# Altium PCB Connect.PcbDoc (part 1 of 2) (continued)
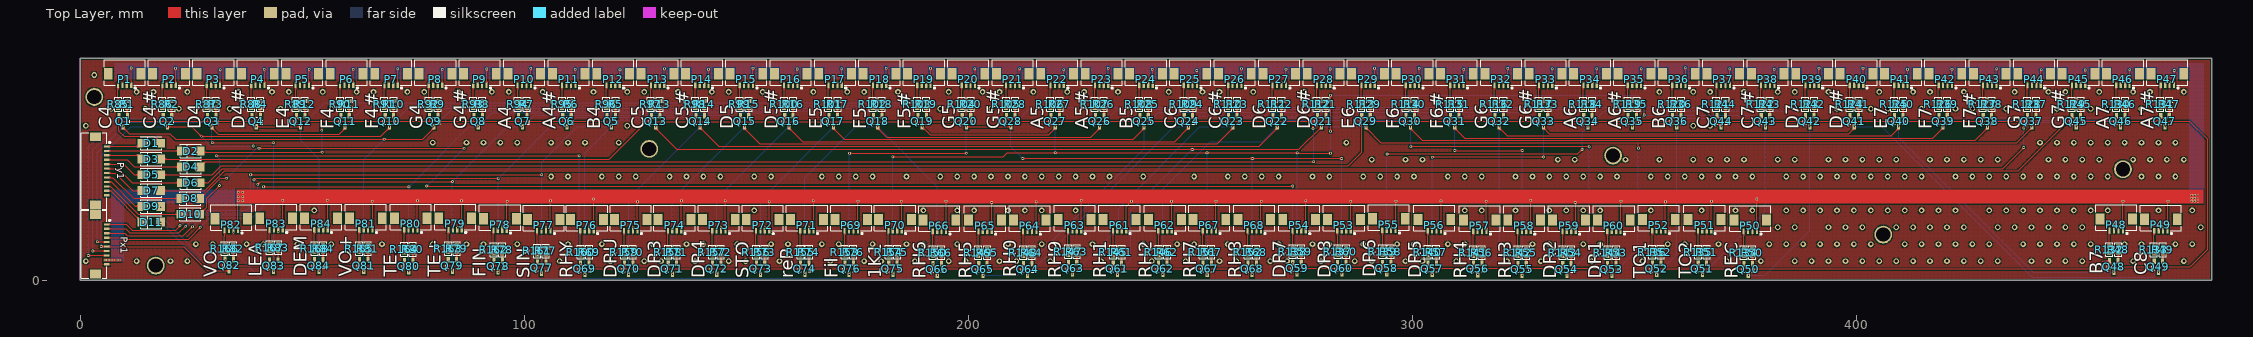
[diagram p0: Top Layer view]
## Components (designator, comment, footprint, x,y, rotation, side; value= is the part's Value field where it differs from the comment) (continued)
R146 "1KΩ (1001) ±1%" 0603_R 242.834,6.35 r90 top
R147 "1KΩ (1001) ±1%" 0603_R 222.486,6.477 r90 top
R148 "1KΩ (1001) ±1%" 0603_R 212.376,6.223 r90 top
R149 "1KΩ (1001) ±1%" 0603_R 202.184,6.223 r90 top
R150 "1KΩ (1001) ±1%" 0603_R 192.028,6.223 r90 top
R151 "1KΩ (1001) ±1%" 0603_R 252.817,6.35 r90 top
R152 "1KΩ (1001) ±1%" 0603_R 262.928,6.35 r90 top
R153 "1KΩ (1001) ±1%" 0603_R 172.189,6.35 r90 top
R154 "1KΩ (1001) ±1%" 0603_R 182.045,6.35 r90 top
R155 "1KΩ (1001) ±1%" 0603_R 162.205,6.35 r90 top
R156 "1KΩ (1001) ±1%" 0603_R 152.222,6.35 r90 top
R157 "1KΩ (1001) ±1%" 0603_R 142.365,6.35 r90 top
R158 "1KΩ (1001) ±1%" 0603_R 132.382,6.35 r90 top
R159 "1KΩ (1001) ±1%" 0603_R 122.526,6.35 r90 top
R160 "1KΩ (1001) ±1%" 0603_R 112.669,6.35 r90 top
R161 "1KΩ (1001) ±1%" 0603_R 102.94,6.604 r90 top
R162 "1KΩ (1001) ±1%" 0603_R 93.084,6.858 r90 top
R163 "1KΩ (1001) ±1%" 0603_R 82.846,7.112 r90 top
R164 "1KΩ (1001) ±1%" 0603_R 72.99,6.985 r90 top
R165 "1KΩ (1001) ±1%" 0603_R 62.88,7.112 r90 top
R166 "1KΩ (1001) ±1%" 0603_R 32.549,7.112 r90 top
R167 "1KΩ (1001) ±1%" 0603_R 42.659,7.366 r90 top
R168 "1KΩ (1001) ±1%" 0603_R 52.769,7.112 r90 top

## Footprints (in the part's own frame and the unit in brackets; to place one, negate y for a bottom-side part, rotate by r counter-clockwise, add the part's x,y. Pads: shape width x height; smd on the part's side, far side on the other; paste and mask are expansions set on the pad)
0603_R [mm]
  rect 0.93x0.98 smd: 1(-0.77,0) 2(0.77,0)
  silkscreen extent -1.54,-0.79 1.54,0.79, body extent -0.85,-0.4 0.85,0.4, height 0.56
FPC1.0-2H-WS-4P [mm] "翻盖FPC，脚距1mm，不含脚（长8.9mm，宽5.2mm，高1.96mm）"
  rect 2x2.5 smd: 0(-3.69,0) 0(3.69,0)
  rect 0.5x1.25 smd: 1(-1.5,2.575) 2(-0.5,2.575) 3(0.5,2.575) 4(1.5,2.575)
  silkscreen extent -4.64,-3.17 4.64,3.31, body extent -4.45,-3.15 4.45,2.85, height 2
FPC1.0-2H-WS-10P [mm] "翻盖FPC，脚距1mm，不含脚（长14.9mm，宽5.2mm，高1.96mm）"
  rect 2x2.5 smd: 0(-6.69,0) 0(6.69,0)
  rect 0.5x1.25 smd: 1(-4.5,2.575) 2(-3.5,2.575) 3(-2.5,2.575) 4(-1.5,2.575) 5(-0.5,2.575) 6(0.5,2.575) 7(1.5,2.575) 8(2.5,2.575) 9(3.5,2.575) 10(4.5,2.575)
  silkscreen extent -7.64,-3.18 7.64,3.31, body extent -7.45,-3.15 7.45,2.85, height 2
FPC1.0-2H-WS-12P [mm] "翻盖FPC，脚距1mm，不含脚（长16.9mm，宽5.2mm，高1.96mm）"
  rect 2x2.5 smd: 0(-7.69,0) 0(7.69,0)
  rect 0.5x1.25 smd: 1(-5.5,2.575) 2(-4.5,2.575) 3(-3.5,2.575) 4(-2.5,2.575) 5(-1.5,2.575) 6(-0.5,2.575) 7(0.5,2.575) 8(1.5,2.575) 9(2.5,2.575) 10(3.5,2.575) 11(4.5,2.575) 12(5.5,2.575)
  silkscreen extent -8.64,-3.18 8.64,3.31, body extent -8.45,-3.15 8.45,2.85, height 2
SMA(DO-214AC)_S1 [mm]
  rect 2x2 smd: 1(2.1,0) 2(-2.1,0)
  silkscreen extent -2.35,-1.5 2.35,1.5
SOT-23(SOT-23-3) [mm]
  rect 1.25x0.7 smd: 1(1.25,-0.95) 2(1.25,0.95) 3(-1.25,0)
  silkscreen extent -0.65,-1.46 0.9,1.46, body extent -1.5,-1.5 1.5,1.5, height 1.3

## Part data
D1 D2 D3 D4 D5 D6 D7 D8 D9 D10 D11: library part "SMA(DO-214AC) M7", "二极管"
P1 P2 P3 P4 P5 P6 P7 P8 P9 P10 P11 P12 P13 P14 P15 P16 P17 P18 P19 P20 P21 P22 P23 P24 P25 P26 P27 P28 P29 P30 P31 P32 P33 P34 P35 P36 P37 P38 P39 P40 P41 P42 P43 P44 P45 P46 P47 P48 P49 P50 P51 P52 P53 P54 P55 P56 P57 P58 P59 P60 P61 P62 P63 P64 P65 P66 P67 P68 P69 P70 P71 P72 P73 P74 P75 P76 P77 P78 P79 P80 P81 P82 P83 P84: "Header, 4-Pin"
Px1: "Header, 10-Pin"
Py1: "Header, 12-Pin"
Q1 Q2 Q3 Q4 Q5 Q6 Q7 Q8 Q9 Q10 Q11 Q12 Q13 Q14 Q15 Q16 Q17 Q18 Q19 Q20 Q21 Q22 Q23 Q24 Q25 Q26 Q27 Q28 Q29 Q30 Q31 Q32 Q33 Q34 Q35 Q36 Q37 Q38 Q39 Q40 Q41 Q42 Q43 Q44 Q45 Q46 Q47 Q48 Q49 Q50 Q51 Q52 Q53 Q54 Q55 Q56 Q57 Q58 Q59 Q60 Q61 Q62 Q63 Q64 Q65 Q66 Q67 Q68 Q69 Q70 Q71 Q72 Q73 Q74 Q75 Q76 Q77 Q78 Q79 Q80 Q81 Q82 Q83 Q84: library part "SOT-23 SS8050 Y1", "三极管"
R1 R2 R3 R4 R5 R6 R7 R8 R9 R10 R11 R12 R13 R14 R15 R16 R17 R18 R19 R20 R21 R22 R23 R24 R25 R26 R27 R28 R29 R30 R31 R32 R33 R34 R35 R36 R37 R38 R39 R40 R41 R42 R43 R44 R45 R46 R47 R48 R49 R50 R51 R52 R53 R54 R55 R56 R57 R58 R59 R60 R61 R62 R63 R64 R65 R66 R67 R68 R69 R70 R71 R72 R73 R74 R75 R76 R77 R78 R79 R80 R81 R82 R83 R84: library part "0603 10KΩ (1002) 1%", "贴片电阻"
R85 R86 R87 R88 R89 R90 R91 R92 R93 R94 R95 R96 R97 R98 R99 R100 R101 R102 R103 R104 R105 R106 R107 R108 R109 R110 R111 R112 R113 R114 R115 R116 R117 R118 R119 R120 R121 R122 R123 R124 R125 R126 R127 R128 R129 R130 R131 R132 R133 R134 R135 R136 R137 R138 R139 R140 R141 R142 R143 R144 R145 R146 R147 R148 R149 R150 R151 R152 R153 R154 R155 R156 R157 R158 R159 R160 R161 R162 R163 R164 R165 R166 R167 R168: library part "0603 1KΩ (1001) 1%", "贴片电阻"

## Free pads (board coordinates)
  round 4 hole 3.2: 0(3.175,41.275) 0(17.018,3.302) 0(128.143,29.591) 0(345.186,28.067) 0(406.019,10.287) 0(460,25)
  rect 5x0.8 smd far side: 2(7.239,4.572)

## Via types
v1: diameter 1.27, hole 0.711, Top Layer to Bottom Layer, tented both sides, 396 vias
v2: diameter 0.6, hole 0.3, Top Layer to Bottom Layer, 231 vias
v3: diameter 0.5, hole 0.3, Top Layer to Bottom Layer, 107 vias

## Nets (pads, with @x,y where several pads share a name; then routed paths per layer and width w, separated by ;. In a path a pad name is that pad's centre, name@x,y a point inside that pad or via, vN(x,y) a via of type N, cw(c..) or ccw(c..) an arc to the next point about the centre after c; other vN are vias at no path point)
1K1N: Q75.1 R75.2 R154.1 | length 3.7
  Top Layer w0.254: R154.1@182.045,5.58 R75.2@183.95,5.58 183.968,5.58 Q75.1@183.968,3.81
A4: Q7.1 R7.2 R94.1 | length 3.8
  Top Layer w0.254: R94.1@98.496,38.854 R7.2@100.545,38.854 100.545,37.085 Q7.1@100.566,37.064
A4#: Q6.1 R6.2 R95.1 | length 3.8
  Top Layer w0.254: R95.1@108.495,38.854 R6.2@110.543,38.854 110.543,37.083 Q6.1@110.562,37.064
A5: Q27.1 R27.2 R106.1 | length 3.8
  Top Layer w0.254: R106.1@218.48,38.854 R27.2@220.523,38.854 220.523,37.07 Q27.1@220.517,37.064
A5#: Q26.1 R26.2 R107.1 | length 3.8
  Top Layer w0.254: R107.1@228.478,38.854 R26.2@230.521,38.854 230.521,37.072 Q26.1@230.513,37.064
A6: Q34.1 R34.2 R118.1 | length 3.8
  Top Layer w0.254: R118.1@338.463,38.854 R34.2@340.501,38.854 340.501,37.097 Q34.1@340.469,37.064
A6#: Q35.1 R35.2 R119.1 | length 3.8
  Top Layer w0.254: R119.1@348.462,38.854 R35.2@350.499,38.854 350.499,37.099 Q35.1@350.465,37.064
A7: Q46.1 R46.2 R130.1 | length 3.8
  Top Layer w0.254: R130.1@458.446,38.854 R46.2@460.479,38.854 460.479,37.123 Q46.1@460.42,37.064
A7#: Q47.1 R47.2 R131.1 | length 3.8
  Top Layer w0.254: R131.1@468.445,38.854 R47.2@470.478,38.854 470.478,37.126 Q47.1@470.416,37.064
B4: Q5.1 R5.2 R96.1 | length 3.8
  Top Layer w0.254: R96.1@118.494,38.854 R5.2@120.541,38.854 120.541,37.08 Q5.1@120.558,37.064
B5: Q25.1 R25.2 R108.1 | length 3.8
  Top Layer w0.254: R108.1@238.477,38.854 R25.2@240.519,38.854 240.519,37.074 Q25.1@240.509,37.064
B6: Q36.1 R36.2 R120.1 | length 3.8
  Top Layer w0.254: R120.1@358.46,38.854 R36.2@360.498,38.854 360.498,37.101 Q36.1@360.46,37.064
B7: Q48.1 R48.2 R132.1 | length 3.8
  Top Layer w0.254: R132.1@456.937,6.131 R48.2@458.97,6.131 458.97,4.405 Q48.1@458.906,4.341
C4: Q1.1 R1.2 R85.1 | length 3.9
  Top Layer w0.254: R85.1@8.509,38.854 R1.2@10.561,38.854 10.561,37.105 Q1.1@10.602,37.064
C4#: Q2.1 R2.2 R86.1 | length 3.9
  Top Layer w0.254: R86.1@18.508,38.854 R2.2@20.559,38.854 20.559,37.103 Q2.1@20.598,37.064
C5: Q13.1 R13.2 R97.1 | length 3.8
  Top Layer w0.254: R97.1@128.492,38.854 R13.2@130.539,38.854 130.539,37.078 Q13.1@130.553,37.064
C5#: Q14.1 R14.2 R98.1 | length 3.8
  Top Layer w0.254: R98.1@138.491,38.854 R14.2@140.537,38.854 140.537,37.076 Q14.1@140.549,37.064
C6: Q24.1 R24.2 R109.1 | length 3.8
  Top Layer w0.254: R109.1@248.475,38.854 R24.2@250.518,38.854 250.518,37.077 Q24.1@250.505,37.064
C6#: Q23.1 R23.2 R110.1 | length 3.8
  Top Layer w0.254: R110.1@258.474,38.854 R23.2@260.516,38.854 260.516,37.079 Q23.1@260.501,37.064
C7: Q44.1 R44.2 R121.1 | length 3.8
  Top Layer w0.254: R121.1@368.459,38.854 R44.2@370.496,38.854 370.496,37.103 Q44.1@370.456,37.064
C7#: Q43.1 R43.2 R122.1 | length 3.8
  Top Layer w0.254: R122.1@378.457,38.854 R43.2@380.494,38.854 ; Q43.1@380.452,37.064 380.494,37.106 R43.2@380.494,38.854
C8: Q49.1 R49.2 R133.1 | length 3.8
  Top Layer w0.254: R133.1@466.979,6.088 R49.2@469.011,6.088 469.011,4.364 Q49.1@468.945,4.298
D4: Q3.1 R3.2 R87.1 | length 3.9
  Top Layer w0.254: R87.1@28.506,38.854 R3.2@30.557,38.854 30.557,37.101 Q3.1@30.594,37.064
D4#: Q4.1 R4.2 R88.1 | length 3.9
  Top Layer w0.254: R88.1@38.505,38.854 R4.2@40.556,38.854 40.556,37.098 Q4.1@40.59,37.064
D5: Q15.1 R15.2 R99.1 | length 3.8
  Top Layer w0.254: R99.1@148.489,38.854 R15.2@150.536,38.854 150.536,37.074 Q15.1@150.545,37.064
D5#: Q16.1 R16.2 R100.1 | length 3.8
  Top Layer w0.254: R100.1@158.488,38.854 R16.2@160.534,38.854 160.534,37.072 Q16.1@160.541,37.064
D6: Q22.1 R22.2 R111.1 | length 3.8
  Top Layer w0.254: R111.1@268.473,38.854 R22.2@270.514,38.854 270.514,37.081 Q22.1@270.497,37.064
D6#: Q21.1 R21.2 R112.1 | length 3.8
  Top Layer w0.254: R112.1@278.471,38.854 R21.2@280.512,38.854 280.512,37.083 Q21.1@280.493,37.064
D7: Q42.1 R42.2 R123.1 | length 3.8
  Top Layer w0.254: R123.1@388.456,38.854 R42.2@390.492,38.854 390.492,37.108 Q42.1@390.448,37.064
D7#: Q41.1 R41.2 R124.1 | length 3.8
  Top Layer w0.254: R124.1@398.455,38.854 R41.2@400.49,38.854 400.49,37.11 Q41.1@400.444,37.064
DEMO: Q84.1 R84.2 R168.1 | length 3.7
  Top Layer w0.254: R168.1@52.769,6.342 53.721,6.342 R84.2@54.674,6.342 54.674,5.588 54.698,5.565 Q84.1@54.698,4.572
DR1: Q53.1 R53.2 R144.1 | length 3.7
  Top Layer w0.254: R144.1@343.938,5.453 R53.2@345.843,5.453 345.843,3.693 Q53.1@345.853,3.683
DR2: Q54.1 R54.2 R143.1 | length 3.7
  Top Layer w0.254: R143.1@333.827,5.453 R54.2@335.732,5.453 335.732,3.694 Q54.1@335.743,3.683
DR3: Q71.1 R71.2 R158.1 | length 3.7
  Top Layer w0.254: R158.1@132.382,5.58 R71.2@134.287,5.58 134.307,5.58 Q71.1@134.307,3.81
DR4: Q72.1 R72.2 R157.1 | length 3.7
  Top Layer w0.254: R157.1@142.365,5.58 R72.2@144.271,5.58 144.29,5.58 Q72.1@144.29,3.81
DR5: Q57.1 R57.2 R140.1 | length 3.7
  Top Layer w0.254: R140.1@303.496,5.58 R57.2@305.401,5.58 305.401,3.822 Q57.1@305.413,3.81
DR6: Q58.1 R58.2 R139.1 | length 3.7
  Top Layer w0.254: R139.1@293.259,5.707 R58.2@295.164,5.707 295.164,3.949 Q58.1@295.176,3.937
DR7: Q59.1 R59.2 R138.1 | length 3.7
  Top Layer w0.254: R138.1@273.038,5.707 R59.2@274.943,5.707 274.943,3.95 Q59.1@274.957,3.937
DR8: Q60.1 R60.2 R137.1 | length 3.7
  Top Layer w0.254: R137.1@283.149,5.707 R60.2@285.054,5.707 285.054,3.95 Q60.1@285.067,3.937
DRUM: Q70.1 R70.2 R159.1 | length 3.7
  Top Layer w0.254: R159.1@122.526,5.58 R70.2@124.431,5.58 124.451,5.58 Q70.1@124.451,3.81
E4: Q12.1 R12.2 R89.1 | length 3.9
  Top Layer w0.254: R89.1@48.503,38.854 R12.2@50.554,38.854 50.554,37.096 Q12.1@50.586,37.064
E5: Q17.1 R17.2 R101.1 | length 3.8
  Top Layer w0.254: R101.1@168.487,38.854 R17.2@170.532,38.854 170.532,37.069 Q17.1@170.537,37.064
E6: Q29.1 R29.2 R113.1 | length 3.8
  Top Layer w0.254: R113.1@288.47,38.854 R29.2@290.51,38.854 290.51,37.085 Q29.1@290.489,37.064
E7: Q40.1 R40.2 R125.1 | length 3.8
  Top Layer w0.254: R125.1@408.453,38.854 R40.2@410.488,38.854 410.488,37.112 Q40.1@410.44,37.064
F4: Q11.1 R11.2 R90.1 | length 3.9
  Top Layer w0.254: R90.1@58.502,38.854 R11.2@60.552,38.854 60.552,37.094 Q11.1@60.582,37.064
F4#: Q10.1 R10.2 R91.1 | length 3.9
  Top Layer w0.254: R91.1@68.501,38.854 R10.2@70.55,38.854 70.55,37.092 Q10.1@70.578,37.064
F5: Q18.1 R18.2 R102.1 | length 3.8
  Top Layer w0.254: R102.1@178.485,38.854 R18.2@180.53,38.854 180.53,37.067 Q18.1@180.533,37.064
F5#: Q19.1 R19.2 R103.1 | length 3.8
  Top Layer w0.254: R103.1@188.484,38.854 R19.2@190.528,38.854 Q19.1@190.528,37.065
F6: Q30.1 R30.2 R114.1 | length 3.8
  Top Layer w0.254: R114.1@298.468,38.854 R30.2@300.508,38.854 300.508,37.088 Q30.1@300.485,37.064
F6#: Q31.1 R31.2 R115.1 | length 3.8
  Top Layer w0.254: R115.1@308.467,38.854 R31.2@310.507,38.854 310.507,37.09 Q31.1@310.481,37.064
F7: Q39.1 R39.2 R126.1 | length 3.8
  Top Layer w0.254: R126.1@418.452,38.854 R39.2@420.487,38.854 420.487,37.114 Q39.1@420.436,37.064
F7#: Q38.1 R38.2 R127.1 | length 3.8
  Top Layer w0.254: R127.1@428.45,38.854 R38.2@430.485,38.854 430.485,37.117 Q38.1@430.432,37.064
FILLIN: Q76.1 R76.2 R153.1 | length 3.7
  Top Layer w0.254: R153.1@172.189,5.58 R76.2@174.094,5.58 174.112,5.58 Q76.1@174.112,3.81
FINGER: Q78.1 R78.2 R162.1 | length 3.7
  Top Layer w0.254: R162.1@93.084,6.088 R78.2@94.989,6.088 95.01,6.088 Q78.1@95.01,4.318
G4: Q9.1 R9.2 R92.1 | length 3.8
  Top Layer w0.254: R92.1@78.499,38.854 R9.2@80.548,38.854 80.548,37.089 Q9.1@80.574,37.064
G4#: Q8.1 R8.2 R93.1 | length 3.8
  Top Layer w0.254: R93.1@88.498,38.854 R8.2@90.547,38.854 90.547,37.087 Q8.1@90.57,37.064
G5: Q20.1 R20.2 R104.1 | length 3.8
  Top Layer w0.254: R104.1@198.482,38.854 R20.2@200.527,38.854 200.527,37.065 Q20.1@200.525,37.064
G5#: Q28.1 R28.2 R105.1 | length 3.8
  Top Layer w0.254: R105.1@208.481,38.854 R28.2@210.525,38.854 ; Q28.1@210.521,37.064 210.525,37.068 R28.2@210.525,38.854
G6: Q32.1 R32.2 R116.1 | length 3.8
  Top Layer w0.254: R116.1@318.466,38.854 R32.2@320.505,38.854 320.505,37.092 Q32.1@320.477,37.064
G6#: Q33.1 R33.2 R117.1 | length 3.8
  Top Layer w0.254: R117.1@328.464,38.854 R33.2@330.503,38.854 330.503,37.094 Q33.1@330.473,37.064
G7: Q37.1 R37.2 R128.1 | length 3.8
  Top Layer w0.254: R128.1@438.449,38.854 R37.2@440.483,38.854 440.428,38.799 Q37.1@440.428,37.064
G7#: Q45.1 R45.2 R129.1 | length 3.8
  Top Layer w0.254: R129.1@448.448,38.854 R45.2@450.481,38.854 450.481,37.121 Q45.1@450.424,37.064
GND: P1.2 P2.2 P3.2 P4.2 P5.2 P6.2 P7.2 P8.2 P9.2 P10.2 P11.2 P12.2 P13.2 P14.2 P15.2 P16.2 P17.2 P18.2 P19.2 P20.2 P21.2 P22.2 P23.2 P24.2 P25.2 P26.2 P27.2 P28.2 P29.2 P30.2 P31.2 P32.2 P33.2 P34.2 P35.2 P36.2 P37.2 P38.2 P39.2 P40.2 P41.2 P42.2 P43.2 P44.2 P45.2 P46.2 P47.2 P48.2 P49.2 P50.2 P51.2 P52.2 P53.2 P54.2 P55.2 P56.2 P57.2 P58.2 P59.2 P60.2 P61.2 P62.2 P63.2 P64.2 P65.2 P66.2 P67.2 P68.2 P69.2 P70.2 P71.2 P72.2 P73.2 P74.2 P75.2 P76.2 P77.2 P78.2 P79.2 P80.2 P81.2 P82.2 P83.2 P84.2 pad.0@3.175,41.275 Px1.10 R1.1 R2.1 R3.1 R4.1 R5.1 R6.1 R7.1 R8.1 R9.1 R10.1 R11.1 R12.1 R13.1 R14.1 R15.1 R16.1 R17.1 R18.1 R19.1 R20.1 R21.1 R22.1 R23.1 R24.1 R25.1 R26.1 R27.1 R28.1 R29.1 R30.1 R31.1 R32.1 R33.1 R34.1 R35.1 R36.1 R37.1 R38.1 R39.1 R40.1 R41.1 R42.1 R43.1 R44.1 R45.1 R46.1 R47.1 R48.1 R49.1 R50.1 R51.1 R52.1 R53.1 R54.1 R55.1 R56.1 R57.1 R58.1 R59.1 R60.1 R61.1 R62.1 R63.1 R64.1 R65.1 R66.1 R67.1 R68.1 R69.1 R70.1 R71.1 R72.1 R73.1 R74.1 R75.1 R76.1 R77.1 R78.1 R79.1 R80.1 R81.1 R82.1 R83.1 R84.1
  other v1: 1.27,4.318 12.7,4.318 20.32,4.318 24.13,4.318 107.95,4.318 119.38,4.318 127,4.318 130.81,4.318 138.43,4.318 146.05,4.318 149.86,4.318 157.48,4.318 168.91,4.318 176.53,4.318 180.34,4.318 187.96,4.318 195.58,4.318 199.39,4.318 207.01,4.318 210.82,4.318 218.44,4.318 229.87,4.318 241.3,4.318 248.92,4.318 256.54,4.318 260.35,4.318 267.97,4.318 271.78,4.318 279.4,4.318 287.02,4.318 290.83,4.318 298.45,4.318 302.26,4.318 309.88,4.318 321.31,4.318 328.93,4.318 340.36,4.318 351.79,4.318 370.84,4.318 378.46,4.318 386.08,4.318 389.89,4.318 393.7,4.318 397.51,4.318 401.32,4.318 405.13,4.318 408.94,4.318 412.75,4.318 416.56,4.318 420.37,4.318 424.18,4.318 427.99,4.318 431.8,4.318 439.42,4.318 443.23,4.318 447.04,4.318 450.85,4.318 462.28,4.318 473.71,4.318 26.035,8.128 29.845,8.128 37.465,8.128 41.275,8.128 48.895,8.128 56.515,8.128 60.325,8.128 67.945,8.128 79.375,8.128 86.995,8.128 90.805,8.128 98.425,8.128 109.855,8.128 117.475,8.128 128.905,8.128 136.525,8.128 140.335,8.128 147.955,8.128 155.575,8.128 159.385,8.128 167.005,8.128 170.815,8.128 178.435,8.128 186.055,8.128 189.865,8.128 197.485,8.128 208.915,8.128 216.535,8.128 227.965,8.128 239.395,8.128 247.015,8.128 250.825,8.128 258.445,8.128 269.875,8.128 277.495,8.128 281.305,8.128 288.925,8.128 296.545,8.128 300.355,8.128 307.975,8.128 311.785,8.128 327.025,8.128 330.835,8.128 338.455,8.128 342.265,8.128 357.505,8.128 361.315,8.128 368.935,8.128 380.365,8.128 384.175,8.128 387.985,8.128 391.795,8.128 395.605,8.128 399.415,8.128 403.225,8.128 410.845,8.128 414.655,8.128 418.465,8.128 422.275,8.128 426.085,8.128 429.895,8.128 437.515,8.128 441.325,8.128 445.135,8.128 448.945,8.128 452.755,8.128 460.375,8.128 464.185,8.128 471.805,8.128 475.615,8.128 382.27,11.938 386.08,11.938 393.7,11.938 397.51,11.938 401.32,11.938 408.94,11.938 412.75,11.938 416.56,11.938 420.37,11.938 424.18,11.938 431.8,11.938 435.61,11.938 439.42,11.938 443.23,11.938 447.04,11.938 450.85,11.938 477.52,11.938 52.705,15.748 151.765,15.748 189.865,15.748 197.485,15.748 201.295,15.748 208.915,15.748 212.725,15.748 216.535,15.748 224.155,15.748 311.785,15.748 315.595,15.748 323.215,15.748 330.835,15.748 334.645,15.748 338.455,15.748 342.265,15.748 353.695,15.748 365.125,15.748 372.745,15.748 376.555,15.748 384.175,15.748 387.985,15.748 391.795,15.748 395.605,15.748 399.415,15.748 403.225,15.748 407.035,15.748 410.845,15.748 414.655,15.748 418.465,15.748 422.275,15.748 429.895,15.748 433.705,15.748 437.515,15.748 441.325,15.748 445.135,15.748 448.945,15.748 452.755,15.748 456.565,15.748 467.995,15.748 475.615,15.748 106.045,23.368 109.855,23.368 117.475,23.368 121.285,23.368 125.095,23.368 132.715,23.368 136.525,23.368 140.335,23.368 144.145,23.368 151.765,23.368 155.575,23.368 167.005,23.368 170.815,23.368 174.625,23.368 178.435,23.368 186.055,23.368 193.675,23.368 197.485,23.368 201.295,23.368 205.105,23.368 208.915,23.368 212.725,23.368 216.535,23.368 220.345,23.368 224.155,23.368 227.965,23.368 231.775,23.368 239.395,23.368 250.825,23.368 258.445,23.368 262.255,23.368 266.065,23.368 269.875,23.368 277.495,23.368 281.305,23.368 288.925,23.368 292.735,23.368 296.545,23.368 300.355,23.368 307.975,23.368 311.785,23.368 315.595,23.368 323.215,23.368 327.025,23.368 330.835,23.368 334.645,23.368 338.455,23.368 342.265,23.368 346.075,23.368 353.695,23.368 357.505,23.368 361.315,23.368 365.125,23.368 368.935,23.368 372.745,23.368 376.555,23.368 384.175,23.368 387.985,23.368 391.795,23.368 395.605,23.368 399.415,23.368 403.225,23.368 407.035,23.368 410.845,23.368 414.655,23.368 422.275,23.368 426.085,23.368 429.895,23.368 433.705,23.368 437.515,23.368 441.325,23.368 445.135,23.368 448.945,23.368 452.755,23.368 456.565,23.368 464.185,23.368 467.995,23.368 471.805,23.368 290.83,27.178 298.45,27.178 302.26,27.178 332.74,27.178 336.55,27.178 347.98,27.178 355.6,27.178 363.22,27.178 367.03,27.178 370.84,27.178 374.65,27.178 382.27,27.178 386.08,27.178 393.7,27.178 397.51,27.178 401.32,27.178 405.13,27.178 408.94,27.178 416.56,27.178 420.37,27.178 424.18,27.178 427.99,27.178 431.8,27.178 443.23,27.178 447.04,27.178 450.85,27.178 454.66,27.178 462.28,27.178 466.09,27.178 469.9,27.178 473.71,27.178 79.375,30.988 86.995,30.988 90.805,30.988 94.615,30.988 98.425,30.988 106.045,30.988 109.855,30.988 113.665,30.988 121.285,30.988 285.115,30.988 441.325,30.988 445.135,30.988 448.945,30.988 452.755,30.988 456.565,30.988 460.375,30.988 464.185,30.988 467.995,30.988 471.805,30.988 1.27,34.798 123.19,34.798 363.22,34.798 367.03,34.798 6.985,38.608 14.605,38.608 22.225,38.608 26.035,38.608 33.655,38.608 45.085,38.608 56.515,38.608 193.675,38.608 205.105,38.608 395.605,38.608 403.225,38.608 407.035,38.608 414.655,38.608 422.275,38.608 426.085,38.608 433.705,38.608 445.135,38.608 452.755,38.608 456.565,38.608 464.185,38.608 12.7,42.418 16.51,42.418 24.13,42.418 35.56,42.418 43.18,42.418 46.99,42.418 54.61,42.418 62.23,42.418 66.04,42.418 73.66,42.418 77.47,42.418 85.09,42.418 92.71,42.418 96.52,42.418 104.14,42.418 115.57,42.418 123.19,42.418 127,42.418 134.62,42.418 142.24,42.418 146.05,42.418 153.67,42.418 165.1,42.418 172.72,42.418 176.53,42.418 184.15,42.418 195.58,42.418 203.2,42.418 207.01,42.418 214.63,42.418 222.25,42.418 226.06,42.418 233.68,42.418 245.11,42.418 252.73,42.418 256.54,42.418 264.16,42.418 275.59,42.418 355.6,42.418 363.22,42.418 367.03,42.418 374.65,42.418 382.27,42.418 386.08,42.418 393.7,42.418 405.13,42.418 412.75,42.418 416.56,42.418 424.18,42.418 435.61,42.418 443.23,42.418 447.04,42.418 454.66,42.418 462.28,42.418 466.09,42.418 473.71,42.418 3.175,46.228
  other v3: 469.011,7.628 458.97,7.671 34.544,10.795 44.577,10.922 315.595,11.684 345.821,11.684 376.555,11.684 64.77,11.811 74.93,11.811 84.963,11.811 184.023,11.811 193.929,11.811 204.216,11.811 214.376,11.811 224.409,11.811 234.442,11.811 244.856,11.811 264.795,11.811 285.115,11.811 305.435,11.811 325.628,11.811 335.788,11.811 355.981,11.811 366.328,11.811 54.737,11.938 104.902,11.938 114.554,11.938 124.46,11.938 134.366,11.938 144.272,11.938 154.178,11.938 164.084,11.938 174.117,11.938 254.762,11.938 274.955,11.938 469.011,11.938 459.062,11.981 94.996,12.065 295.148,12.065 370.459,44.45 10.414,44.577 20.447,44.577 30.48,44.577 40.513,44.577 50.419,44.577 60.452,44.577 70.485,44.577 90.551,44.577 100.457,44.577 110.49,44.577 120.523,44.577 130.429,44.577 140.462,44.577 150.495,44.577 160.528,44.577 170.434,44.577 180.467,44.577 190.5,44.577 200.533,44.577 220.472,44.577 230.505,44.577 240.411,44.577 250.444,44.577 260.477,44.577 270.51,44.577 280.416,44.577 290.449,44.577 300.482,44.577 310.388,44.577 320.421,44.577 330.454,44.577 340.487,44.577 350.393,44.577 360.426,44.577 390.525,44.577 400.431,44.577 440.563,44.577 470.535,44.577 80.518,44.704 380.492,44.704 410.337,44.704 420.37,44.704 430.53,44.704 450.469,44.704 460.502,44.704
LEARN: Q83.1 R83.2 R167.1 | length 3.7
  Top Layer w0.254: R167.1@42.659,6.596 43.612,6.596 R83.2@44.564,6.596 44.564,5.842 44.588,5.818 Q83.1@44.588,4.806
NetD1_1: D1.1 Q1.2 Q2.2 Q3.2 Q4.2 | length 48.4
  Top Layer w0.254: Q1.2@8.702,37.064 Q1.2@8.702,36.764 ; D1.1@18.669,31.428 D1.1@18.102,30.861 16.578,32.385 9.906,32.385 8.702,33.589 Q1.2@8.702,36.764 ; Q2.2@18.698,37.064 18.698,35.843 18.669,35.814 ; Q3.2@28.694,37.064 28.694,35.822 28.702,35.814 ; Q4.2@38.69,37.064 38.69,36.785 37.719,35.814 28.702,35.814 ; Q1.2@8.702,36.764 9.652,35.814 18.669,35.814 ; 18.669,35.814 28.702,35.814
NetD2_1: D2.1 Q5.2 Q6.2 Q7.2 Q8.2 Q9.2 Q10.2 Q11.2 Q12.2 | length 113.6
  Top Layer w0.254: D2.1@26.992,29.083 27.246,28.829 v2(54.483,28.829) ; Q12.2@48.686,37.064 48.686,36.785 49.657,35.814 54.356,35.814 ; v2(54.356,33.782) 54.356,35.814 ; Q11.2@58.682,37.064 58.682,35.822 58.674,35.814 ; Q10.2@68.678,37.064 68.678,35.843 68.707,35.814 ; Q9.2@78.674,37.064 78.674,35.88 78.74,35.814 ; Q8.2@88.67,37.064 88.67,35.838 88.646,35.814 ; Q7.2@98.666,37.064 98.666,35.827 98.679,35.814 ; Q6.2@108.662,37.064 108.662,35.864 108.712,35.814 ; Q5.2@118.658,37.064 118.658,36.743 117.729,35.814 108.712,35.814 ; 54.356,35.814 58.674,35.814 ; 58.674,35.814 68.707,35.814 ; 68.707,35.814 78.74,35.814 ; 78.74,35.814 88.646,35.814 ; 88.646,35.814 98.679,35.814 ; 98.679,35.814 108.712,35.814
  Bottom Layer w0.254: v2(54.356,33.782) 54.483,33.655 v2(54.483,28.829)
NetD3_1: D3.1 Q13.2 Q14.2 Q15.2 Q16.2 Q17.2 Q18.2 Q19.2 Q20.2 | length 194.3
  Top Layer w0.254: D3.1@18.102,27.305 119.131,27.305 Q13.2@128.653,36.828 ; Q13.2@128.653,37.064 Q13.2@128.653,36.828 ; Q14.2@138.649,37.064 138.649,35.722 138.684,35.687 ; Q15.2@148.645,37.064 148.645,35.742 148.59,35.687 ; Q16.2@158.641,37.064 158.641,35.705 158.623,35.687 ; Q17.2@168.637,37.064 168.637,35.706 168.656,35.687 ; Q18.2@178.633,37.064 178.633,35.758 178.562,35.687 ; Q19.2@188.629,37.064 188.629,35.78 188.722,35.687 ; Q20.2@198.625,37.064 198.625,36.827 197.485,35.687 188.722,35.687 ; Q13.2@128.653,36.828 129.794,35.687 138.684,35.687 ; 138.684,35.687 148.59,35.687 ; 148.59,35.687 158.623,35.687 ; 158.623,35.687 168.656,35.687 ; 168.656,35.687 178.562,35.687 ; 178.562,35.687 188.722,35.687